# KiCad board OpenPLC_Hardware.kicad_pcb (continued)
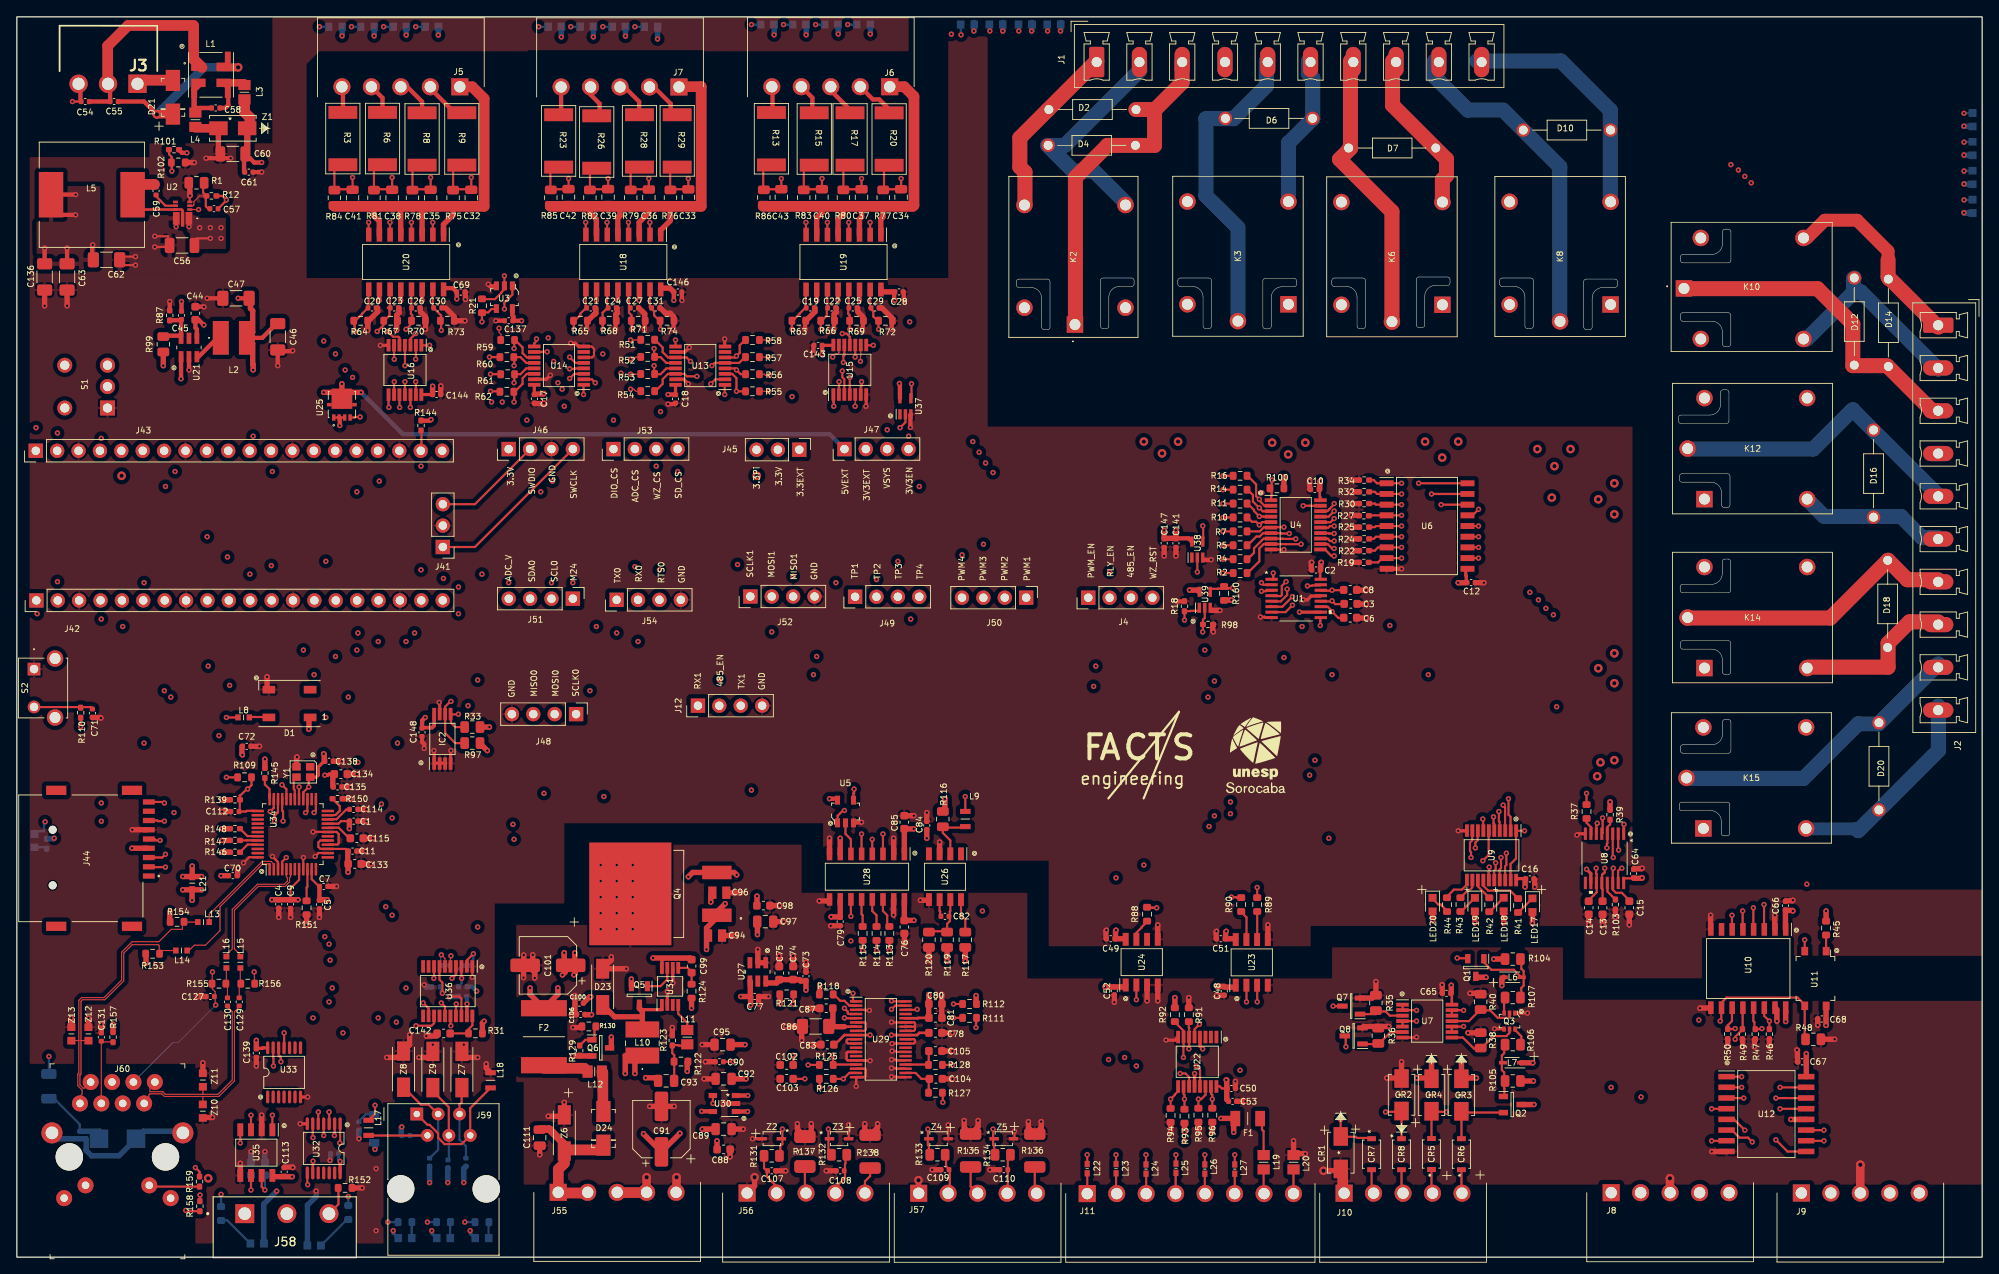
[diagram p0: board, top side]
## Routing (per net, layer and track width the routed paths; a pad name or vN(x,y) marks a point on that pad's centre or on a via; arc(x,y) is an arc through that point) (continued)
+24V: length 173.9
  Top w0.254: v1(22.98,121) 21.4,121 21.4,120.62 ; 20.43,123.38 20.43,122.41 v1(20.44,122.4)
  Top w0.381: 172.08,81.76 172.08,81 172.15,80.93 172.15,80.11
  Top w0.508: 26.98,128.88 26.98,130.65 27.37,131.03 ; 19.24,131.54 19.62,131.16 v1(20.19,131.16) ; 27.37,130.53 27.68,130.53 28.19,130.02 v1(29.08,130.02)
  Top w0.635: v1(171.19,80.11) 172.15,80.11 ; 27.37,130.53 27.37,131.03
  Top w0.762: 27.37,131.03 27.37,134.08
  Top w1.27: 27.05,137.38 27.05,135.99 27.68,135.35 27.68,134.11 27.66,134.08
  In2.Cu w0.635: 189.73,90.01 v2(189.73,91.92)
  In2.Cu w0.762: v2(153.03,96.74) 151,96.74 ; 189.73,57.12 v2(189.73,59.03) ; 189.73,57.12 v2(187.7,57.12) ; 189.73,57.12 v2(188.08,58.77) ; v2(149.09,96.74) 151,96.74 ; 151,96.74 v2(151,95.35) ; 189.73,69.95 v2(189.73,71.73) ; 189.73,69.95 v2(187.83,69.95) ; 189.73,69.95 v2(189.73,68.17) ; v2(133.85,96.87) v2(137.92,96.87) ; v2(189.73,88.24) 189.73,89.99 ; v2(180.59,95.98) 182.62,95.98 ; 182.62,95.98 v2(184.53,95.98) ; 182.62,95.98 v2(182.62,93.95) ; v2(136.01,95.47) 136.01,96.74 ; v2(167.26,96.87) 169.29,96.87 ; 169.29,96.87 v2(171.19,96.87) ; 169.29,96.87 v2(169.29,94.97) ; v2(187.83,90.01) 189.73,90.01
  In2.Cu w2.159: 200.4,89.99 189.73,89.99 189.73,90.01 ; 200.4,69.92 189.76,69.92 189.73,69.95 ; 151.03,96.77 151.03,113.13 ; 169.29,96.87 169.31,96.9 169.31,113.13 ; 189.25,109.04 189.25,105 182.65,98.4 182.65,96.01 182.62,95.98 ; 189.25,109.04 200.4,109.04 ; 189.25,109.04 189.25,113.13 ; K2.1 131.7,112.75 131.7,103.48 136.01,99.16 136.01,96.74 ; K15.1 200.26,50.87 195.96,50.87 195.96,50.9 189.73,57.12
  vias: v1(21.71,122.27) v1(22.98,122.27) v1(24.25,122.27) v1(24.25,121)
+24VI: length 55.5
  Top w0.508: v1(86.79,17.3) U30.1 ; v1(86.81,19.2) U30.3
  Top w0.635: v1(173.35,21.28) 171.66,21.28 171.57,21.37 v1(171.57,23.21) ; v1(180.19,18.13) Q2.3 ; C93.1 75.79,21.31 v1(74.67,21.31) ; v1(65.99,23.9) 68.47,23.9 ; v1(110.49,35.15) R119.1 ; v1(64.26,31.97) 64.26,31.22 62.6,29.56 60.96,31.21 v1(60.96,31.97) ; R105.1 v1(180.13,20.93) ; v1(112.65,35.15) R117.2 ; L7.1 178.67,23.08 v1(180.04,23.08) ; v1(74.43,14.67) 74.43,14.64 C91.1 78.74,14.69 v1(78.74,14.71) ; C95.1 v1(86.48,25.24) ; v1(176.37,32.25) 176.37,33.02 L6.1 ; v1(72.26,21.81) 72.26,23.95 L10.1 73.4,23.06 v1(73.4,21.81) ; C92.1 v1(86.61,21.18) ; v1(174.5,33.24) 173.38,33.24 ; v1(166.27,21.28) 167.93,21.28 168.02,21.37 v1(168.02,23.21) ; R122.2 79.63,23.15 v1(79.63,22.07) ; v1(175.41,35.4) R104.1 ; v1(81.91,36.55) 81.91,39.1 83.14,40.32 83.14,41 v1(84.13,41.99)
AVDD: length 31.9
  Top w0.254: 39.3,48.23 39.04,48.49 36.06,48.49 35.81,48.74 35.81,49.26 36.04,49.49 U34.17 ; C9.1 32.5,43.79 33.52,44.81 U34.8 ; U34.21 38.2,51.49 38.5,51.79 C1.1 ; U34.4 31.52,46.99 v1(32,47.47) ; U34.11 35.02,44.89 35.87,44.04
  Top w0.508: 35.94,42.45 35.94,44.01 C7.1
  Top w0.635: v1(39.34,45.72) 39.34,46.71 39.3,46.75 39.3,48.23 ; v1(15.34,34.93) 15.34,36 ; v1(21.94,43.63) 20.82,43.63 ; 20.82,43.63 v1(19.71,43.63) ; 20.82,43.63 20.81,43.62 20.81,42.4 v1(20.82,42.39) ; C1.1 39.49,51.76 v1(39.49,50.9) ; v1(18.16,41.01) 18.16,39.87 ; v1(33.4,42.45) 32.55,42.45 ; v1(36.89,42.45) 35.94,42.45 ; v1(11.43,27.65) 11.43,26.71 ; v1(30.29,42.45) 32.45,42.45
GND: length 280.7
  Top w0.25: U14.6 68.32,106.87 68.55,107.1 68.55,107.89 68.27,108.17 U14.8
  Top w0.254: v1(35.43,47.6) 35.81,47.98 35.81,48.01 37.01,48.01 ; 52.8,28.67 52.8,30.7 52.55,30.96 v1(51.43,30.96) ; v1(18.92,122.4) 18.93,122.4 18.93,123.38 ; v1(34.03,47.47) 34.01,47.34 34.01,46.01 ; v1(33.52,55.85) 33.51,55.85 33.51,54.51 ; v1(16.38,119.99) 17.97,119.99 17.97,121.26 v1(16.38,121.26) ; 37.01,49.01 38.1,49.01 38.22,49.14 38.22,50.26 37.97,50.51 35.18,50.51 v1(35.18,50.52) ; U34.3 31.02,46.93 v1(30.35,47.6) 31.01,46.93 31.01,46.01 ; v1(26.92,46.83) 27.6,47.51 28.51,47.51 ; 20.55,126.1 20.53,126.08 20.53,125.33 ; v1(14.09,117.83) 12.38,117.83 12.38,118.84 v1(14.09,118.84) ; 54.1,34.51 54.1,33.24 v1(54.1,33.24)
  Top w0.305: 149.22,75.98 148.21,75.98 148.21,76.04 v1(147.7,76.04) ; 148.97,84.04 149.98,84.04 149.98,84.04 v1(150.49,84.04)
  Top w0.381: v1(63.37,104.75) 62.89,104.26 61.47,104.26 ; v1(43.18,108.3) 44.15,108.3 ; v1(51.56,60.17) 51.52,60.13 51.52,58.67 ; v1(171.19,50.64) 172.2,50.64 ; v1(33.65,15.85) U32.7 ; v1(50.16,65.88) 50.22,65.83 50.22,64.47 ; 100.88,102.46 100.88,101.06 v1(100.84,101.06) ; 78.23,104.26 79.22,104.26 v1(79.75,103.73) ; 78.23,107.51 79.35,107.51 v1(79.88,108.05) ; v1(152.78,78.08) 153.29,78.08 153.73,78.52 154.82,78.52 ; 50.87,58.67 49.57,58.67 49.57,60.13 v1(49.53,60.17) ; v1(65.78,108.56) 66.34,108.56 66.73,108.17 U14.8 ; 84.07,108.16 v1(84.07,109.06) ; v1(185.29,50.14) 185.44,50.29 186.3,50.29 ; 33.7,19.02 v1(34.54,19.02)
  Top w0.508: 105.34,114.65 105.34,113.7 v1(105.41,113.64) ; v1(78.99,113.64) 78.99,113.64 C146.2 ; v1(30.98,105.89) 30.98,107.6 32.7,107.6 v1(32.76,107.67) ; v1(94.61,107.29) 94.61,108.24 94.68,108.3 ; 97.05,111.22 97.05,110.23 v1(97.03,110.21) ; v1(74.55,110.21) 74.57,110.23 74.57,111.22 ; 51.94,111.22 51.97,111.22 ; C61.2 v1(29.08,128.88) ; v1(100.33,51.66) 100.33,51.63 99.36,51.63 ; v1(48.38,60.42) 48.38,60.93 48.13,61.18 48.13,61.76 ; v1(106.13,98.55) 106.13,100.06 U37.3 ; 67.71,111.22 67.71,110.23 v1(67.69,110.21) ; v1(77.97,110.21) 78,110.23 78,111.22 ; v1(71.12,110.21) 71.12,111.2 71.14,111.22 ; 23.94,130.53 v1(25.4,130.53) ; 23.94,130.53 v1(22.48,130.53) ; 23.94,130.53 23.94,131.03 ; v1(137.66,77.95) 137.73,77.89 138.68,77.89 ; 21.21,112.9 22.2,112.9 v1(22.22,112.87) ; v1(22.6,113.89) 24.51,113.89 ; 56.97,115.32 56.23,115.32 v1(55.99,115.56) ; v1(141.85,82.84) 141.82,82.81 141.01,82.81 ; v1(100.45,110.21) 100.48,110.23 100.48,111.22 ; v1(93.6,110.21) 93.62,110.23 93.62,111.22 ; 50.61,112.75 50.92,112.75 ; 18.16,112.43 v1(18.16,113.51) ; v1(77.34,101.32) 78.17,101.32 78.23,101.38 ; v1(56.89,111.22) 57.85,111.22 ; v1(103.88,110.21) 103.91,110.23 103.91,111.22 ; 162.81,81.76 v1(164.46,81.76) ; v1(20.44,105.38) 20.44,106.75
  Top w0.635: v1(9.99,64.03) 9.93,64.1 8.97,64.1 ; 26.54,9.55 v1(26.54,11.15) ; v1(153.54,92.17) 153.54,91.22 153.6,91.16 ; v1(62.61,101.44) 62.54,101.38 61.47,101.38 ; 97.05,111.22 97.05,111.98 97.34,112.28 97.34,112.75 ; 33.22,58.24 33.22,59.36 v1(33.27,59.41) ; v1(23.24,16.61) 23.21,16.58 22.09,16.58 ; 71.31,112.75 71.31,112.11 71.18,111.98 71.14,111.98 71.14,111.22 ; 141.92,76.82 v1(142.88,76.82) ; v1(189.86,40.36) 189.86,41.31 ; 40.45,48.23 v1(41.4,48.23) ; 42.86,112.75 42.86,112.3 41.78,111.22 41.68,111.22 41.68,110.11 v1(41.65,110.08) ; v1(21.46,30.96) 22.41,30.96 ; C4.2 31.11,41.44 v1(31.11,40.36) ; L18.2 55.75,22.42 v1(55.75,22.96) ; v1(48.64,26.26) 49.88,26.26 ; v1(32.51,40.36) 32.52,40.37 32.52,41.3 32.51,41.31 ; 40.92,46.71 v1(42.03,46.71) ; 159.15,75.92 v1(160.27,75.92) ; v1(142.49,38.71) 142.43,38.64 142.43,37.82 ; 39.77,8.23 v1(41.02,8.23) ; 78,111.22 78,111.71 77.59,112.11 77.05,112.11 76.41,112.75 76.39,112.75 ; 30.06,67.36 29.71,67.36 v1(29.71,68.93) ; v1(158.49,85.31) 159.45,85.31 ; v1(5.97,113) 5.97,114.72 ; v1(158.49,82.52) 159.45,82.52 ; v1(135.51,39.46) 135.51,37.9 135.51,37.9 ; v1(53.27,113.76) 53.27,114.65 ; C16.2 180.27,44.84 v1(180.27,43.98) ; v1(32.76,10.64) 32.76,10.7 31.75,10.7 ; 23.94,131.03 23.94,133.79 23.7,134.03 ; 20.55,127.61 20.55,126.11 v1(20.57,126.08) ; v1(193.04,46.2) 192.97,46.14 192.02,46.14 ; v1(48.51,110.21) 48.54,110.21 48.54,111.71 47.94,112.3 47.94,112.75 ; v1(3.3,113) 3.3,114.72 ; Z11.1 v1(22.09,23.08) ; 23.64,133.7 23.64,134.08 ; v1(158.49,92.3) 159.45,92.3 ; 94.8,112.75 94.8,112.3 93.72,111.22 93.62,111.22 ; 159.15,77.57 v1(160.27,77.57) ; 38.67,54.45 v1(39.62,54.45) ; 208.78,38.96 v1(208.78,40.61) ; 27.87,60.68 v1(28.83,60.68) ; v1(45.08,110.08) 45.11,110.11 45.11,111.88 45.4,112.18 45.4,112.75 ; 99.88,112.75 99.88,112.3 100.48,111.71 100.48,111.22 ; 41.17,49.75 v1(42.29,49.75) ; v1(129.41,38.83) 129.35,38.77 129.35,37.82 ; 40.57,53.18 v1(41.53,53.18) ; v1(104.14,49.75) 104.14,47.9 U28.2 ; v1(136.27,83.28) 136.27,84.24 ; v1(49.4,25.24) 49.4,23.72 v1(47.75,23.72) ; v1(158.49,88.11) 159.45,88.11 ; 19.96,130.02 v1(21.08,130.02) ; v1(13.71,50.77) 15.52,50.77 ; v1(137.66,83.28) 137.66,84.24 ; 102.42,112.75 102.74,112.75 103.91,111.58 103.91,111.22 ; 38.67,55.85 v1(39.62,55.85) ; v1(158.49,90.9) 159.45,90.9 ; v1(96.52,49.75) 96.52,47.9 U28.8 ; 173.29,80.11 v1(174.24,80.11) ; v1(158.49,86.71) 159.45,86.71 ; 51.94,111.22 51.94,111.73 50.92,112.75 ; v1(158.49,83.92) 159.45,83.92 ; 142.05,75.15 142.05,74.39 v1(142.11,74.27) ; v1(28.45,22.7) 28.45,23.66 ; 51.97,111.22 v1(53.21,111.22) ; 159.15,79.22 v1(160.27,79.22) ; 29.08,15.29 v1(29.08,16.86) ; v1(210.94,42.39) 210.88,42.33 210.06,42.33 ; v1(43.94,23.72) 45.17,23.72 46.65,25.2 v1(46.65,26.42) ; U26.3 v1(109.6,49.3) ; 26.22,45.31 26.22,46.14 v1(26.29,46.2) ; 201.16,38.96 v1(201.16,40.61) ; 68.77,112.75 68.77,112.11 68.64,111.98 68.58,111.98 67.81,111.22 67.71,111.22 ; C84.2 v1(108.07,52.8) ; 37.65,58.9 v1(38.61,58.9) ; v1(24.38,52.93) 25.33,52.93 ; 53.08,23.72 v1(53.08,25.24) ; 53.08,23.72 52.83,23.72 ; 53.08,23.72 v1(54.73,23.72) ; v1(191.51,39.47) 191.51,40.71 ; 74.57,111.22 74.57,112.05 73.87,112.75 73.85,112.75 ; v1(148.59,39.47) 148.59,37.73 ; 40.57,51.79 v1(41.53,51.79) ; v1(106.54,52.43) C85.2 ; v1(35.94,40.36) 35.94,41.31 ; v1(188.34,39.47) 188.34,40.71 ; v1(34.41,39.47) 34.41,40.71 ; v1(50.35,103.48) 50.35,102.46 ; v1(153.79,82.52) 153.73,82.52 153.73,81.63 ; 39.27,57.37 v1(40.38,57.37) ; v1(186.69,39.47) 186.69,40.71 ; 6.47,27.3 v1(6.47,28.42) ; v1(158.49,89.51) 159.45,89.51 ; 8.51,27.3 v1(8.51,28.42) ; 10.03,26.7 v1(10.03,27.66) ; 37.02,44.04 v1(37.97,44.04)
  Top w1.016: 21.21,134.08 23.64,134.08 23.7,134.03
  In2.Cu w0.635: v1(40.64,14.07) 42.41,14.07 43.81,15.46 v1(45.72,15.46) ; v1(53.84,3.15) v1(49.27,3.15) v1(44.7,3.15) v1(42.67,3.15) ; v1(42.67,10.51) 47.37,10.51 v1(49.02,8.86) v1(51.18,8.86) v1(53.08,8.86)
  Bottom w0.381: LED37.1 49.27,2.85 v1(49.27,3.15) ; LED36.1 44.7,2.85 v1(44.7,3.15) ; LED38.1 53.84,2.85 v1(53.84,3.15)
  Bottom w0.508: C140.2 37.24,12.29 37.24,11.53 v1(37.19,11.48)
  Bottom w0.635: v1(48.38,32.36) 48.64,32.1 49.21,32.1 ; v1(40.64,14.07) 40.64,15.02 ; v1(51.18,8.86) 51.18,10.56 C125.2 ; v1(49.02,8.86) C124.2 ; v1(45.72,15.46) 45.65,15.4 45.65,14.45 ; v1(35.56,7.84) 35.56,7.21 34.51,6.16 LED34.1 ; C122.2 53.08,10.54 v1(53.08,8.86) ; 29.46,11.3 v1(29.46,12.54) ; 27.81,11.3 v1(27.81,12.54) ; v1(51.43,30.96) 52.38,30.96
GNDA: length 216.4
  Top w0.254: 106.68,27.25 106.68,27.02 106.53,26.88 105.51,26.88 ; 106.68,27.25 106.55,27.38 105.51,27.38 ; 106.68,27.25 106.68,27.78 106.58,27.88 103.91,27.88 v1(103.88,27.91) ; U29.3 100.76,29.38 100.84,29.31 v1(101.26,29.31) ; Z5.2 118.49,14.19 v1(118.49,14.96) ; Z3.2 98.8,15.72 v1(98.8,15.72) ; 99.71,25.38 98.69,25.38 98.55,25.52 98.55,25.75 98.68,25.88 99.71,25.88 ; v1(103.95,25.37) 104.5,25.37 104.51,25.38 106.53,25.38 106.68,25.52 106.68,25.75 106.55,25.88 105.51,25.88 ; 99.71,26.88 100.71,26.88 100.71,26.89 100.84,27.02 100.84,27.75 100.71,27.88 U29.6 ; Z4.2 110.61,15.71 v1(110.61,15.71) ; 105.51,24.38 104.49,24.38 104.39,24.48 v1(103.95,24.48)
  Top w0.305: v1(99.69,20.29) 99.69,21.36 99.71,21.38 100.71,21.38 100.84,21.51 100.84,22.25 100.71,22.38 99.71,22.38 ; v1(103.88,23.47) 104.39,23.47 104.48,23.38 105.51,23.38 ; v1(103.88,22.45) 104.39,22.45 104.46,22.38 105.51,22.38 ; v1(166.24,26.13) 166.19,26.09 164.59,26.09 ; v1(101.34,23.34) 100.84,23.34 100.79,23.38 98.68,23.38 98.55,23.51 98.55,24.25 98.68,24.38 99.71,24.38 ; v1(103.88,21.43) 104.39,21.43 104.45,21.38 105.51,21.38
  Top w0.381: U31.6 77.91,32.58 v1(77.92,32.57) ; v1(87.37,14.07) Z2.2 ; Q3.1 179.41,28.99 v1(179.42,28.98) ; U22.8 137.55,25.78 v1(136.48,25.78) ; v1(175.5,27.13) 176.6,27.13 176.64,27.09 ; v1(77.26,31.57) 77.26,29.96 U31.2
  Top w0.508: U30.2 85.41,18.26 v1(83.94,18.26)
  Top w0.635: C53.2 v1(145.92,18.51) ; C52.2 130.35,31.13 v1(130.35,30.27) ; v1(61.51,33.16) 61.51,33.81 60.66,34.66 60.18,34.18 v1(60.18,33.2) ; v1(209.04,28.04) 209.04,29.4 U10.15 ; v1(72.39,34.26) D23.2 70.61,35.29 v1(70.61,35.66) ; 211.48,23.2 211.48,24.55 v1(211.42,24.61) ; v1(121.66,16.1) 121.66,15.39 R136.1 120.14,15.39 v1(120.14,16.1) ; v1(95.3,42.31) 96.35,42.31 U28.9 ; v1(162.94,27.4) 159.99,27.4 159.82,27.23 ; R123.2 v1(77.85,27.28) ; v1(162.71,21.28) 164.4,21.28 CR2.2 164.46,21.22 v1(164.46,23.21) ; v1(104.12,40.64) 104.12,42.46 U28.15 ; v1(90.6,41.77) 90.59,41.76 89.44,41.76 ; v1(105.42,37.21) 105.42,38.43 C76.2 ; v1(137.03,14.83) R94.2 ; v1(134.24,30.45) 134.24,32.15 ; v1(84.71,11.91) 84.71,12.78 C88.2 ; 139.2,29.62 139.19,29.64 v1(139.19,30.83) ; v1(81.62,21.18) C92.2 ; v1(88.11,30.1) C77.2 v1(89.28,30.96) ; v2(107.09,9.14) 107.09,7.57 ; v1(208.15,24.99) R46.1 ; C94.2 v1(85.34,38.2) ; v1(94.1,29.56) C87.1 ; v1(85.98,43.28) 84.28,43.28 C96.2 ; C107.2 v1(91.31,10.26) ; R47.1 206.37,25.79 v1(206.37,24.99) ; 159.53,30.77 160.98,30.77 161.41,31.21 v1(161.41,32.74) ; v1(93.22,25.75) 93.22,27.31 C86.1 v1(91.31,27.4) ; v1(66.04,27.28) 66.99,27.28 R130.2 ; C73.2 v1(93.72,35.02) ; v1(69.34,46.58) 70.29,45.63 v1(69.34,44.67) v1(69.34,42.77) v1(69.34,40.86) v1(69.34,38.96) 70.29,39.91 v1(71.24,38.96) v1(71.24,40.86) v1(71.24,42.77) 72.96,42.77 73.09,42.64 73.09,40.93 v1(73.15,40.86) v1(73.15,38.96) ; v1(151.63,13.81) L20.1 151.8,12.29 v1(153.03,12.29) ; 157.22,10.28 155.22,10.28 v2(155.19,10.26) ; v1(203.2,24.99) R50.1 ; C48.2 143.37,31.09 v1(142.49,31.09) ; U27.1 U27.2 v1(88.01,36.55) ; v1(75.15,17.91) v1(78.07,17.91) ; 86.73,7.56 87.63,8.46 v2(87.63,9.5) ; v1(201.29,12.54) 203.07,12.54 ; v1(94.36,15.85) 94.36,14.96 93.66,14.26 92.71,15.21 v1(92.71,15.85) ; v1(199.9,29.56) 199.93,29.6 201.16,29.6 201.16,29.56 ; v1(107.31,42.39) 108.25,42.39 U26.5 108.33,42.31 ; v1(108.33,35.21) R120.2 ; v1(91.09,39.85) C97.2 ; v1(114.17,16.23) 114.17,15.52 R135.1 112.52,15.39 v1(112.52,16.23) ; C104.2 v1(111.12,21.18) ; 60.42,34.41 61.27,35.26 v1(61.27,35.91) ; v1(94.23,25.24) C83.2 ; v1(172.59,31.34) 173.76,31.34 R40.1 ; C68.2 213.88,28.28 213.88,27.57 v1(213.89,27.56) ; v1(81.4,25.24) 82.87,25.24 ; C78.2 v1(111.12,26.64) ; v1(81.78,23.21) C90.2 ; v1(65.02,18.39) 65.02,16.9 64.86,16.73 v1(63.12,16.73) ; v1(96.66,39.36) 97.78,39.36 C79.2 ; v1(109.85,31.21) 109.85,28.44 C81.2 ; v1(100.71,15.85) 100.71,15.14 R138.1 102.23,15.39 v1(102.23,15.85) ; v1(65.86,28.8) 66.45,28.8 C106.2 66.28,29.03 v1(66.28,31.09) ; v1(144.73,20.88) C50.2 ; C89.2 v1(86.28,15.21) ; v1(169.29,32.36) 169.29,32.35 169.29,31.37 169.29,31.37 ; R49.1 204.97,25.86 v1(204.97,24.99) ; v1(108.71,10.38) 109.75,10.38 ; C74.2 v1(92.2,35.78) ; C75.2 v1(90.55,35.78) ; v1(135.51,30.45) U24.4 ; v1(115.57,10.38) C110.2 ; v1(62.1,12.16) C111.2 ; C105.2 v1(111.12,24.48) ; 60.2,34.91 v1(60.2,35.89) ; v1(140.33,14.83) R95.2 ; v1(96.14,10.26) 97.31,10.26 ; v1(172.35,26.65) 173.85,26.65 ; R48.2 v1(215.9,25.88)
  Top w1.016: J55.5 78.36,7.76 v2(78.36,9.5) ; v2(218.95,10.97) 218.94,10.96 218.94,7.13 ; J55.4 v2(74.8,9.5) ; 196.34,7.15 v2(196.34,9.37)
  Top w1.27: J55.3 71.33,7.67 74.77,7.67 J55.4 ; 157.48,7.22 157.48,10.03
  vias: v1(71.24,46.58) v1(71.24,44.67) v1(73.15,46.58) v1(73.15,44.67) v1(73.15,42.77)
GNDPWR: length 25.3
  Top w0.508: 11.07,139.12 C55.2 8.7,137.26
  Top w1.27: L1.1 21,142.29 21,146.27 ; 10.79,139.41 10.79,143.87 13.22,146.3 20.97,146.3
4_095VREF: length 13.5
  Top w0.254: v1(98.3,28.42) 98.33,28.38 99.71,28.38
  Top w0.635: v1(93.72,31.72) 93.72,32.8 93.09,32.8 92.96,32.93 92.96,32.97 90.55,32.97 90.55,32.86 90.25,32.57 88.96,32.57
  In2.Cu w0.635: v1(98.3,28.42) 95.75,30.96 94.48,30.96 v1(93.72,31.72)
24PRESENT: length 10.1
  Top w0.127: 20.53,124.43 v1(21.59,124.43)
  Top w0.254: 18.09,131.54 18.09,130.97 18.39,130.68 18.39,129.51 18.41,129.51 v1(18.41,129)
  In3.Cu w0.254: v1(18.41,129) 18.41,126.72 20.7,124.43 v1(21.59,124.43)
A: length 3.5
  Top w0.254: 145.41,41.09 145.41,40.99 146.05,40.36 146.05,37.89
ACTLED: length 70.9
  Top w0.254: 21.75,6.64 21.75,7.37 v1(21.76,7.38) ; v1(34.29,52.8) 34.39,52.8 34.51,52.93 34.51,54.51
  In2.Cu w0.127: v1(36.57,38.07) 38.86,40.36 42.54,40.36 v1(43.81,41.63)
  In2.Cu w0.254: v1(43.3,53.82) 35.3,53.82 v1(34.29,52.8)
  In3.Cu w0.127: v1(21.76,7.38) 20.7,8.44 20.7,12.92 21.71,13.94 21.71,20.8 32.13,31.21 32.13,33.63 v1(36.57,38.07)
  In3.Cu w0.254: v1(43.3,53.82) 43.81,53.31 v1(43.81,41.63)
AD_MISO: length 33.1
  Top w0.254: 113.94,28.42 113.94,27.81 113.92,27.78 v1(113.92,27.28) ; v1(99.06,40.48) 99.06,42.31
  In2.Cu w0.254: v1(99.06,40.48) 99.82,41.25 114.55,41.25 v1(114.68,41.12)
  In3.Cu w0.254: v1(113.92,27.28) 113.92,28.93 114.68,29.69 v1(114.68,41.12)
AD_MOSI: length 14
  Top w0.254: v1(103.63,36.42) 103.63,37.66 ; v1(99.31,31.34) 99.31,30.38 99.71,30.38
  In2.Cu w0.254: v1(99.06,37.56) 102.49,37.56 v1(103.63,36.42)
  In3.Cu w0.254: v1(99.31,31.34) 99.31,34.26 99.06,34.51 v1(99.06,37.56)
AD_SCLK: length 11.3
  Top w0.254: v1(103.88,29.43) 104.33,29.88 105.51,29.88 ; v1(102.1,36.42) R114.1
  In3.Cu w0.254: v1(103.88,29.43) 104.52,30.07 104.52,30.7 102.74,32.48 102.74,35.02 102.1,35.66 v1(102.1,36.42)
ADC_VREF: length 60.9
  In2.Cu w0.127: v1(15.11,80.11) v1(58.42,80.11)
  In3.Cu w0.127: 15.04,95.78 15.04,87.67 15.11,87.6 v1(15.11,80.11) ; 58.42,78.2 v1(58.42,80.11)
AIN_CH1+: length 9.8
  Top w0.254: 96.92,22.83 96.92,22.88 ; 96.92,22.88 96.92,23.95 v1(96.9,23.97) ; 96.92,22.88 99.71,22.88 ; v1(92.2,23.97) 92.22,23.95 92.22,22.83
  In2.Cu w0.254: v1(92.2,23.97) v1(96.9,23.97)
AIN_CH2+: length 9
  Top w0.254: 99.71,21.88 98.87,21.88 v1(98.17,21.18) R126.1 ; 92.22,21.18 v1(93.6,21.18)
  In2.Cu w0.254: v1(93.6,21.18) v1(98.17,21.18)
AIN_CH3+: length 4.7
  Top w0.254: 105.51,21.88 106.74,21.88 107.44,21.18 108.3,21.18 108.3,19.53
AIN_CH4+: length 4.4
  Top w0.254: 108.3,22.88 108.3,24.48 ; 108.3,22.88 105.51,22.88 ; 108.3,22.88 108.3,22.83
B: length 3.2
  Top w0.254: 147.32,37.89 147.32,41.09
DI_SDO0: length 18.1
  Top w0.254: 78.23,108.16 v1(78.23,108.94) ; v1(62.99,107.54) 62.48,107.54 62.46,107.51 61.47,107.51
  In2.Cu w0.127: v1(62.99,107.54) 67.31,107.54 67.81,108.05 73.91,108.05 74.8,108.94 v1(78.23,108.94)
DOUT_SD0: length 54.3
  Top w0.254: 191.51,42.29 191.51,42.39 190.62,43.28 189.93,43.28 189.54,43.66 189.54,46.14 v1(189.61,46.2) ; v1(154.81,75.03) 154.81,75.54 154.82,75.54 154.82,75.98
  In2.Cu w0.127: v1(154.81,75.03) v1(163.06,75.03)
  In3.Cu w0.254: v1(163.06,75.03) 163.32,75.03 187.83,50.52 187.83,47.98 v1(189.61,46.2)
ENABLE_RS485: length 232.9
  Top w0.254: v1(187.7,51.53) 187.6,51.43 187.6,50.29 ; 30.45,24.86 30.45,23.62 30.48,23.59 v1(30.48,22.7) ; 27.81,15.29 v1(27.81,16.86)
  In2.Cu w0.127: v1(142.24,68.42) 98.55,68.42 98.42,68.55 v1(83.44,68.55) v1(54.73,68.55) ; v1(37.21,35.28) 41.14,39.21 v1(54.73,39.21)
  In2.Cu w0.254: v1(153.54,57.25) 177.8,57.25 183.51,51.53 v1(187.7,51.53)
  In3.Cu w0.127: v1(37.21,35.28) 33.91,31.97 33.91,26.64 30.48,23.21 v1(30.48,22.7) ; v1(54.73,39.21) v1(54.73,68.55)
  In3.Cu w0.254: v1(30.48,22.7) 29.08,21.31 29.08,18.13 v1(27.81,16.86) ; v1(153.54,57.25) 143.13,67.66 143,67.66 v1(142.24,68.42) J4.3 ; J12.2 v1(83.44,68.55)
ESD_DUMP: length 124.6
  Top w0.254: v1(6.6,137.26) 7.55,137.26
  Top w0.508: 7.33,139.37 7.55,139.15 7.55,137.26
  In3.Cu w0.254: v1(3.81,23.85) 2.03,25.62 2.03,51.28 6.22,55.47 6.22,72.03 3.76,74.49 3.76,78.46 3.81,78.51 3.81,87.35 3.55,87.6 3.55,100.05 2.03,101.57 2.03,132.69 v1(6.6,137.26)
  Bottom w0.254: 3.81,22.01 v1(3.81,23.85)
I2C0_SCL: length 84.3
  Top w0.254: v1(51.56,66.01) 51.5,66.01 50.87,65.38 50.87,62.26 52.07,61.06 53.31,61.06
  In2.Cu w0.127: v1(63.5,80.11) 61.21,80.11 60.7,79.6 v1(52.45,79.6) 5.46,79.6 v1(4.82,80.23)
  In3.Cu w0.127: v1(51.56,66.01) 51.56,77.31 52.45,78.2 v1(52.45,79.6) ; 63.5,78.2 v1(63.5,80.11) ; 4.88,78 4.88,79.29 4.82,79.35 v1(4.82,80.23)
I2C0_SDA: length 76.7
  Top w0.254: 53.31,62.96 52.07,62.96 51.56,63.47 51.56,64.47 ; 51.56,64.47 51.52,64.47 ; 51.56,64.47 52.43,64.47 v1(52.45,64.49)
  In2.Cu w0.127: v1(2.41,76.42) v1(52.45,76.42) 59.18,76.42 60.96,78.2
  In3.Cu w0.127: 2.34,78 2.34,77.01 2.41,76.93 v1(2.41,76.42) ; v1(52.45,64.49) v1(52.45,76.42)
LINKLED: length 66.1
  Top w0.254: v1(35.3,52.8) 35.51,53.01 35.51,54.51 ; v1(21.21,10.64) 21.7,10.14 R159.2
  In2.Cu w0.127: v1(44.57,40.61) 43.81,39.85 39.75,39.85 v1(37.08,37.18)
  In2.Cu w0.254: v1(35.3,52.8) 37.97,52.8 38.22,52.55 42.29,52.55 42.67,52.17 v1(44.57,52.17)
  In3.Cu w0.127: v1(21.21,10.64) 21.21,12.92 22.09,13.81 22.09,20.54 32.76,31.21 32.76,32.74 37.08,37.05
  In3.Cu w0.254: v1(44.57,40.61) v1(44.57,52.17)
PWM1: length 184.6
  Top w0.254: v1(177.16,54.45) 177.16,52.55 177.41,52.31 177.41,50.64
  In2.Cu w0.127: v1(22.73,70.2) v1(128.14,70.2)
  In2.Cu w0.254: v1(177.16,54.45) 160.91,54.45 160.53,54.07 v1(144.14,54.07)
  In3.Cu w0.127: v1(22.73,70.2) 22.73,73.76 22.66,73.83 22.66,78
  In3.Cu w0.254: 119.88,78.33 v1(128.14,70.2) v1(144.14,54.07)
PWM2: length 186.2
  Top w0.254: v1(176.53,53.69) 176.76,53.44 176.76,50.64
  In2.Cu w0.127: v1(127.89,67.79) 76.58,67.79 76.45,67.92 v1(25.27,67.92)
  In2.Cu w0.254: v1(176.53,53.69) 168.53,53.69 168.27,53.44 160.65,53.44 159.89,52.68 v1(144.14,52.68)
  In3.Cu w0.127: 25.2,78 25.2,72.69 25.27,72.61 v1(25.27,67.92)
  In3.Cu w0.254: v1(144.14,52.68) 131.7,65.12 130.55,65.12 v1(127.89,67.79) 117.34,78.33
PWM3: length 184.1
  Top w0.254: 176.11,50.64 176.11,51.7 176.02,51.79 v1(176.02,52.93)
  In2.Cu w0.127: v1(114.81,84.68) 81.28,84.68 80.39,85.57 v1(22.6,85.57)
  In2.Cu w0.254: v1(142.24,52.42) 142.62,52.04 159.89,52.04 160.91,53.06 175.38,53.06 175.51,52.93 v1(176.02,52.93)
  In3.Cu w0.127: v1(22.6,85.57) 22.6,90.39 22.66,90.45 22.66,95.78
  In3.Cu w0.254: v1(142.24,52.42) 129.66,64.99 128.14,64.99 114.81,78.33 v1(114.81,84.68)
PWM4: length 182
  Top w0.254: v1(175.38,52.29) 175.38,51.53 175.46,51.53 175.46,50.64
  In2.Cu w0.127: v1(25.02,83.16) 107.19,83.16 107.44,83.41 v1(112.26,83.41)
  In2.Cu w0.254: v1(175.38,52.29) 175,52.68 166.75,52.68 165.22,51.15 v1(141.6,51.15)
  In3.Cu w0.127: 25.2,95.78 25.2,89.31 25.02,89.12 v1(25.02,83.16)
  In3.Cu w0.254: v1(141.6,51.15) 129.16,63.6 127,63.6 112.26,78.33 v1(112.26,83.41)
PWM_OUT1: length 65.2
  Top w0.254: 208.15,27.09 v1(208.15,28.04) 207.51,28.67 207.51,29.56 ; 164.59,29.99 164.59,29.34 166.21,29.34 v1(166.24,29.31) ; v1(201.29,13.81) 203.07,13.81
  In2.Cu w0.254: v1(208.15,28.04) 205.48,28.04 204.85,28.67 201.42,28.67 200.91,28.16 v1(199.77,28.16) 178.69,28.16 176.91,29.94 169.41,29.94 168.78,29.31 v1(166.24,29.31)
  In3.Cu w0.254: v1(199.77,28.16) 199.77,16.99 201.29,15.46 v1(201.29,13.81)
PWM_OUT2: length 67
  Top w0.254: 206.25,29.56 206.25,28.04 206.37,27.91 206.37,27.09 207.26,27.09 v1(207.26,27.15) ; 212.47,12.54 210.31,12.54 v1(208.91,13.94) ; 164.59,27.39 164.59,28.04 v1(166.24,28.04)
  In2.Cu w0.254: v1(207.26,27.15) 206.63,26.51 178.31,26.51 176.4,28.42 167.13,28.42 166.75,28.04 v1(166.24,28.04)
  In3.Cu w0.254: v1(208.91,13.94) 208.91,15.85 210.06,16.99 210.06,24.35 v1(207.26,27.15)
PWM_OUT3: length 45.8
  Top w0.254: v1(171.83,27.4) 171.81,27.39 170.43,27.39 170.43,26.74 ; 203.07,21.43 v1(204.85,21.43) ; v1(204.09,25.88) 204.09,26.17 204.97,27.06 204.97,29.56
  In2.Cu w0.254: v1(204.09,25.88) 177.92,25.88 176.02,27.78 174.11,27.78 173.73,27.4 v1(171.83,27.4)
  In3.Cu w0.254: v1(204.09,25.88) 204.09,23.85 204.85,23.08 v1(204.85,21.43)
PWM_OUT4: length 51.9
  Top w0.254: 170.43,28.69 170.43,29.34 171.8,29.34 v1(171.83,29.31) ; v1(204.09,27.15) 204.09,27.09 203.2,27.09 203.2,27.53 203.71,28.04 203.71,29.56 ; v1(209.42,20.16) 212.47,20.16
  In2.Cu w0.254: v1(204.09,27.15) 178.81,27.15 176.65,29.31 v1(171.83,29.31)
  In3.Cu w0.254: v1(204.09,27.15) 205.1,26.13 206.5,26.13 207.26,25.37 207.26,23.97 208.02,23.21 208.02,21.56 v1(209.42,20.16)
RUN: length 53.3
  Top w0.254: R110.2 7.58,64.07 v1(7.58,63.02)
  In2.Cu w0.254: v1(24,61.95) 19.94,61.95 18.87,63.02 v1(7.58,63.02)
  In3.Cu w0.127: v1(24,61.95) 24,80.11 25.78,81.89 25.78,93.82 27.74,95.78
RUN_SWITCH: length 62.3
  Top w0.254: v1(65.66,105.51) 66.29,105.51 66.35,105.56 67.31,105.56
  In2.Cu w0.127: 10.75,103.4 12.39,103.4 14.98,100.81 42.03,100.81 42.41,100.43 64.39,100.43 v1(65.02,101.06)
  In3.Cu w0.127: v1(65.66,105.51) 65.15,105 65.15,103.73 65.28,103.6 65.28,101.32 v1(65.02,101.06)
RXN: length 15.1
  Top w0.127: 24.89,35.81 24.89,35.91 25.59,36.61 25.59,41.31 28.57,44.29 31.76,44.29 32.14,44.67 32.14,45.06 32.01,45.18 32.01,46.01
RXP: length 15.1
  Top w0.127: 32.51,46.01 32.51,45.18 32.39,45.06 32.39,44.56 31.87,44.04 28.68,44.04 25.84,41.2 25.84,36.61 26.54,35.91 26.54,35.81
S1: length 27
  Top w0.254: 75.71,108.94 75.82,108.94 76.7,108.05 76.7,107.5 77.34,106.86 79.54,106.86 v1(80.01,106.4) ; 99.58,108.3 99.57,107.41 v1(99.56,106.9)
  In2.Cu w0.127: v1(80.01,106.4) 89.66,106.4 89.91,106.14 97.28,106.14 98.04,106.9 v1(99.56,106.9)
S2: length 31.6
  Top w0.254: 78.23,106.21 77.14,106.21 76.45,106.9 75.71,106.9 75.69,107.41 v1(75.69,107.92) ; 100.88,108.3 v1(101.72,108.3)